# Altium PCB STM32F7_CoreBoard Last Design.PcbDoc (part 2 of 2)
Units mm, origin at the board's own origin, x right, y up, seen from the top; angles counter-clockwise.
Board outline 65 x 50 mm, 6 copper layers (L1, L2, L3, L4, L5, L6), stack 1.597 mm thick; 114 components, 192 nets, 736 pads, 389 vias.
Unrouted connection lines stored in the file: 372.
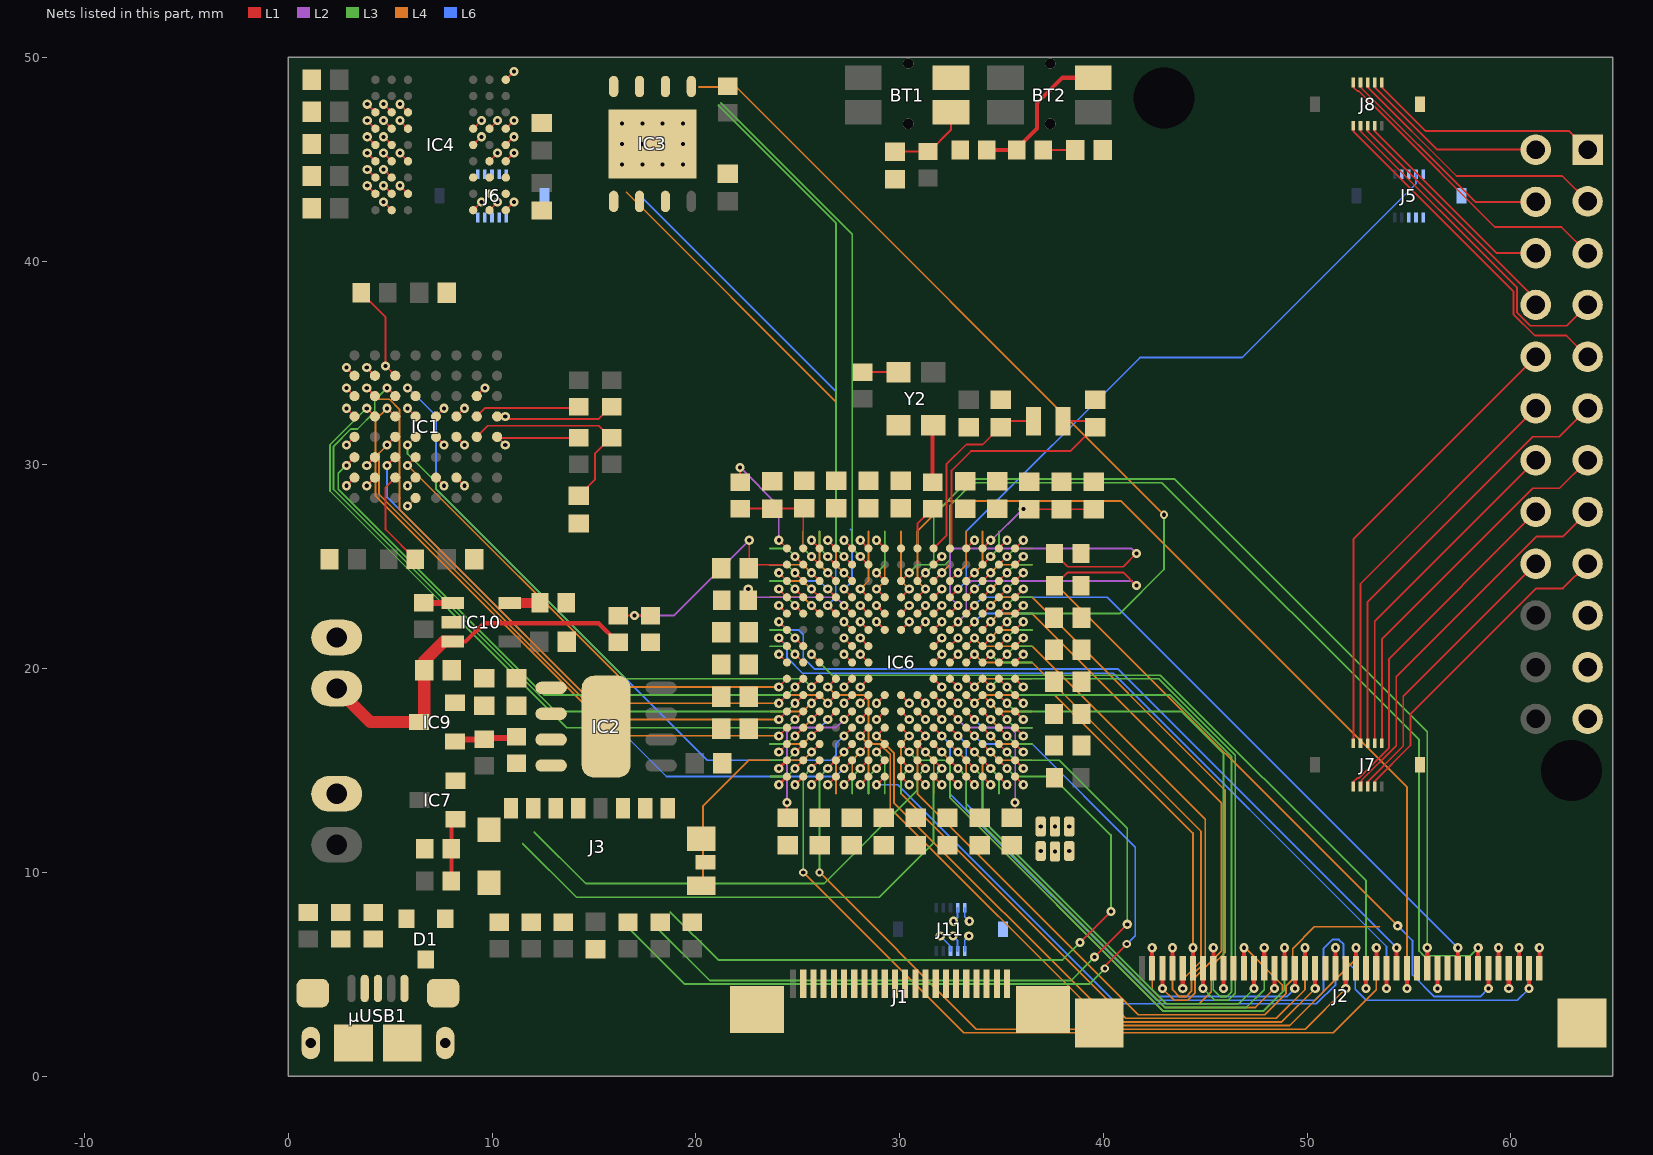
[diagram p6: the nets of this part, all layers, seen from the top]

## Via types
v1: diameter 0.45, hole 0.2, L1 to L6, tented both sides, 367 vias
v2: diameter 0.5, hole 0.2, L1 to L6, 12 vias
v3: diameter 0.4, hole 0.2, L1 to L6, tented both sides, 5 vias
v4: diameter 0.5, hole 0.5, L1 to L6, 4 vias
v5: diameter 0.7, hole 0.35, L1 to L6, tented both sides, 1 vias

## Nets (pads, with @x,y where several pads share a name; then routed paths per layer and width w, separated by ;. In a path a pad name is that pad's centre, name@x,y a point inside that pad or via, vN(x,y) a via of type N, cw(c..) or ccw(c..) an arc to the next point about the centre after c; other vN are vias at no path point) (continued)
A14: IC1.C7 IC4.G7 IC6.N12 | length 3.9
  L1 w0.089: v1(5.475,47.7) IC4.G7@5.875,47.3 ; IC1.C7@8.25,29.375 v1(8.65,28.975) ; v1(25.675,16.7) IC6.N12@26.075,17.1
  L4 w0.089: 23.64,16.3 25.275,16.3 v1(25.675,16.7)
A15: IC1.D7 IC4.G8 IC6.N11 | length 3.9
  L1 w0.089: v1(4.675,47.7) IC4.G8@5.075,47.3 ; IC1.D7@7.25,29.375 v1(7.65,28.975) ; v1(25.675,17.5) IC6.N11@26.075,17.9
  L4 w0.089: 23.64,17.1 25.275,17.1 v1(25.675,17.5)
A16: IC1.E7 IC6.N10 | length 3.3
  L1 w0.089: v1(5.85,28.975) IC1.E7@6.25,29.375 ; v1(25.675,18.3) IC6.N10@26.075,18.7
  L4 w0.089: 23.64,17.9 25.275,17.9 v1(25.675,18.3)
A17: IC1.B3 IC6.M10 | length 4.1
  L1 w0.089: IC1.B3@9.25,33.375 v1(9.65,33.775) ; v1(26.475,18.3) IC6.M10@26.875,18.7
  L4 w0.089: 23.64,18.7 26.075,18.7 v1(26.475,18.3)
A18: IC1.C4 IC6.M11 | length 4.1
  L1 w0.089: IC1.C4@8.25,32.375 v1(8.65,32.775) ; v1(26.475,17.5) IC6.M11@26.875,17.9
  L6 w0.089: 23.64,17.1 26.075,17.1 v1(26.475,17.5)
A19: IC1.D5 IC6.A2 | length 1.1
  L1 w0.089: IC1.D5@7.25,31.375 v1(7.65,30.975) ; IC6.A2@35.675,25.101 v1(36.075,25.501)
A20: IC1.D4 IC6.A1 | length 1.1
  L1 w0.089: IC1.D4@7.25,32.375 v1(7.65,32.775) ; IC6.A1@35.675,25.901 v1(36.075,26.301)
A21: IC1.C5 IC6.B1 | length 1.1
  L1 w0.089: IC1.C5@8.25,31.375 v1(8.65,30.975) ; IC6.B1@34.875,25.901 v1(35.275,26.301)
B0: IC6.B10 J2.9 | length 24.7
  L1 w0.089: IC6.B10@34.875,18.7 v1(35.275,18.3)
  L1 w0.2: v1(45.9,4.3) J2.9@45.9,5.3
  L3 w0.089: v1(35.275,18.3) 35.675,17.9 43.825,17.9 45.9,15.825 v1(45.9,4.3)
B1: IC6.B9 J2.8 | length 28.7
  L1 w0.089: IC6.B9@34.875,19.5 v1(35.275,19.1)
  L1 w0.2: J2.8@45.4,5.3 v1(45.4,6.3)
  L3 w0.089: v1(35.275,19.1) 35.675,18.7 43.277,18.7 46.296,15.68 46.296,4.136 46.064,3.904 45.736,3.904 45.4,4.239 v1(45.4,6.3)
B2: IC6.C9 J2.7 | length 28.9
  L1 w0.089: IC6.C9@34.075,19.5 v1(34.475,19.1)
  L1 w0.2: v1(44.9,4.3) J2.7@44.9,5.3
  L3 w0.089: v1(34.475,19.1) 34.875,19.5 42.728,19.5 46.474,15.754 46.474,4.062 46.138,3.726 45.474,3.726 v1(44.9,4.3)
B3: IC6.D10 J2.6 | length 20.9
  L1 w0.089: IC6.D10@33.275,18.7 v1(33.675,18.3)
  L1 w0.2: J2.6@44.4,5.3 v1(44.4,6.3)
  L4 w0.089: v1(33.675,18.3) 34.075,18.7 37.625,18.7 44.4,11.925 v1(44.4,6.3)
B4: IC6.D8 J2.5 | length 24.4
  L1 w0.089: IC6.D8@33.275,20.3 v1(33.675,20.7)
  L1 w0.2: v1(43.9,4.3) J2.5@43.9,5.3
  L4 w0.089: v1(33.675,20.7) 34.075,20.3 36.51,20.3 44.796,12.013 44.796,5.639 43.9,4.742 v1(43.9,4.3)
B5: IC6.D7 J2.4 | length 28.5
  L1 w0.089: IC6.D7@33.275,21.1 v1(33.675,21.5)
  L1 w0.2: J2.4@43.4,5.3 v1(43.4,6.3)
  L4 w0.089: v1(33.675,21.5) 34.075,21.1 36.51,21.1 45.004,12.606 45.004,5.594 44.326,4.917 44.326,4.165 44.064,3.904 43.736,3.904 43.4,4.239 v1(43.4,6.3)
B6: IC6.C6 J2.3 | length 28.8
  L1 w0.089: IC6.C6@34.075,21.9 v1(34.475,22.3)
  L1 w0.2: v1(42.9,4.3) J2.3@42.9,5.3
  L4 w0.089: v1(34.475,22.3) 34.875,22.7 36.51,22.7 45.796,13.414 45.796,6.136 44.504,4.843 44.504,4.091 44.138,3.726 43.474,3.726 v1(42.9,4.3)
B7: IC6.C5 J2.2 | length 32.8
  L1 w0.089: IC6.C5@34.075,22.7 v1(34.475,23.1)
  L1 w0.2: J2.2@42.4,5.3 v1(42.4,6.3)
  L4 w0.089: v1(34.475,23.1) 34.875,23.5 36.51,23.5 45.974,14.036 45.974,6.062 45.296,5.384 45.296,4.136 44.709,3.548 43.091,3.548 42.4,4.239 v1(42.4,6.3)
CAMERA_LIGHT: IC6.R5 J1.21 | length 0.6
  L1 w0.089: v1(24.075,23.1) IC6.R5@24.475,22.7
CAMERA_MISO: IC6.A9 J1.19 | length 0.6
  L1 w0.089: IC6.A9@35.675,19.5 v1(36.075,19.1)
CAMERA_MOSI: IC6.A8 J1.20 | length 0.6
  L1 w0.089: IC6.A8@35.675,20.3 v1(36.075,20.7)
CAMERA_SCL: IC6.P4 J1.18 | length 2
  L1 w0.089: v1(24.875,23.9) IC6.P4@25.275,23.5
  L3 w0.089: 23.64,24.3 24.475,24.3 v1(24.875,23.9)
CAN_RX: IC6.E4 J5.4 | length 33.2
  L1 w0.089: IC6.E4@32.475,23.5 v1(32.875,23.9)
  L6 w0.089: v1(32.875,23.9) 33.275,24.3 33.275,26.736 41.807,35.268 46.818,35.268 55.35,43.8 J5.4@55.35,44.26
CAN_TX: IC6.B4 J5.2 | length 2
  L1 w0.089: IC6.B4@34.875,23.5 v1(35.275,23.9)
  L3 w0.089: v1(35.275,23.9) 35.675,24.3 36.51,24.3
CHARGESTATUS: IC6.F3 IC10.1 R35.2 | length 4.2
  L1 w0.089: IC6.F3@31.675,24.3 v1(32.075,24.7)
  L1 w0.3: R35.2@6.65,23.225 IC10.1@8.075,23.225
  L4 w0.089: v1(32.075,24.7) 32.475,25.1 32.475,26.736
D0: IC1.E3 IC4.A8 IC6.L12 | length 33.6
  L1 w0.089: v1(4.675,42.9) IC4.A8@5.075,42.5 ; v1(5.85,33.775) IC1.E3@6.25,33.375 ; v1(27.275,16.7) IC6.L12@27.675,17.1
  L6 w0.089: v1(5.85,33.775) 5.875,33.775 7.254,32.396 7.254,28.811 20.561,15.503 26.639,15.503 26.875,15.739 26.875,16.3 v1(27.275,16.7)
D1: IC1.H3 IC4.B9 IC6.K13 | length 3.9
  L1 w0.089: v1(2.85,33.775) IC1.H3@3.25,33.375 ; v1(3.875,43.7) IC4.B9@4.275,43.3 ; v1(28.075,15.899) IC6.K13@28.475,16.299
  L4 w0.089: 27.675,13.864 27.675,15.499 v1(28.075,15.899)
D2: IC1.E4 IC4.B8 IC6.B12 | length 3.1
  L1 w0.089: v1(4.675,43.7) IC4.B8@5.075,43.3 ; v1(5.85,32.775) IC1.E4@6.25,32.375 ; IC6.B12@34.875,17.1 v1(35.275,16.7)
  L3 w0.089: v1(35.275,16.7) 35.675,16.3 36.51,16.3
D3: IC1.H4 IC4.C9 IC6.C12 | length 3.9
  L1 w0.089: v1(2.85,32.775) IC1.H4@3.25,32.375 ; v1(3.875,44.5) IC4.C9@4.275,44.1 ; IC6.C12@34.075,17.1 v1(34.475,16.7)
  L4 w0.089: v1(34.475,16.7) 34.875,16.3 36.51,16.3
D4: IC1.H5 IC4.C8 IC6.R8 | length 1.7
  L1 w0.089: v1(2.85,30.975) IC1.H5@3.25,31.375 ; v1(4.675,44.5) IC4.C8@5.075,44.1 ; v1(24.075,20.7) IC6.R8@24.475,20.3
D5: IC1.E5 IC4.D9 IC6.N9 | length 26.9
  L1 w0.089: v1(3.875,45.3) IC4.D9@4.275,44.9 ; v1(5.85,30.975) IC1.E5@6.25,31.375 ; v1(25.675,19.1) IC6.N9@26.075,19.5
  L3 w0.089: v1(5.85,30.975) 5.85,30.536 7.254,29.132 7.254,28.811 16.565,19.5 25.275,19.5 v1(25.675,19.1)
D6: IC1.H6 IC4.D8 IC6.P9 | length 29.8
  L1 w0.089: v1(2.85,29.975) IC1.H6@3.25,30.375 ; v1(4.675,45.3) IC4.D8@5.075,44.9 ; v1(24.875,19.1) IC6.P9@25.275,19.5
  L3 w0.089: v1(2.85,29.975) 2.454,29.579 2.454,28.811 12.565,18.7 24.475,18.7 v1(24.875,19.1)
D7: IC1.E6 IC4.E9 IC6.R9 | length 24.4
  L1 w0.089: v1(3.875,46.1) IC4.E9@4.275,45.7 ; v1(5.85,29.975) IC1.E6@6.25,30.375 ; v1(24.075,19.1) IC6.R9@24.475,19.5
  L4 w0.089: v1(5.85,29.975) 16.725,19.1 v1(24.075,19.1)
D8: IC1.F3 IC4.E1 IC6.P10 | length 35.3
  L1 w0.089: v1(4.85,33.775) IC1.F3@5.25,33.375 ; IC4.E1@10.675,45.7 v1(11.075,46.1) ; v1(24.875,18.3) IC6.P10@25.275,18.7
  L3 w0.089: v1(4.85,33.775) 4.246,33.171 4.246,32.611 3.396,31.76 3.074,31.76 2.224,30.909 2.224,28.789 13.113,17.9 24.475,17.9 v1(24.875,18.3)
D9: IC1.G3 IC4.D2 IC6.R10 | length 31.2
  L1 w0.089: v1(3.85,33.775) IC1.G3@4.25,33.375 ; IC4.D2@9.875,44.9 v1(10.275,45.3) ; v1(24.075,18.3) IC6.R10@24.475,18.7
  L4 w0.089: v1(3.85,33.775) 4.406,33.219 4.967,33.219 5.454,32.732 5.454,27.811 14.965,18.3 v1(24.075,18.3)
D10: IC1.F4 IC4.D1 IC6.R12 | length 30.9
  L1 w0.089: v1(4.85,32.775) IC1.F4@5.25,32.375 ; IC4.D1@10.675,44.9 v1(11.075,45.3) ; v1(24.075,16.7) IC6.R12@24.475,17.1
  L4 w0.089: v1(4.85,32.775) 4.276,32.201 4.276,28.486 16.062,16.7 v1(24.075,16.7)
D11: IC1.G4 IC4.C2 IC6.P11 | length 33.8
  L1 w0.089: v1(3.85,32.775) IC1.G4@4.25,32.375 ; v1(24.875,17.5) IC6.P11@25.275,17.9
  L3 w0.089: v1(3.85,32.775) 3.838,32.775 2.046,30.983 2.046,28.716 13.662,17.1 24.475,17.1 v1(24.875,17.5)
D12: IC1.F5 IC4.C1 IC6.R11 | length 27.9
  L1 w0.089: v1(4.85,30.975) IC1.F5@5.25,31.375 ; v1(24.075,17.5) IC6.R11@24.475,17.9
  L4 w0.089: v1(4.85,30.975) 4.454,30.579 4.454,28.559 15.513,17.5 v1(24.075,17.5)
D13: IC1.G6 IC4.B2 IC6.L15 | length 1.1
  L1 w0.089: v1(3.85,29.975) IC1.G6@4.25,30.375 ; v1(27.275,14.299) IC6.L15@27.675,14.699
D14: IC1.F6 IC4.B1 IC6.L14 | length 31
  L1 w0.089: v1(4.85,29.975) IC1.F6@5.25,30.375 ; v1(27.275,15.099) IC6.L14@27.675,15.499
  L6 w0.089: v1(4.85,29.975) 4.85,28.414 18.561,14.703 26.879,14.703 v1(27.275,15.099)
D15: IC1.G7 IC4.A2 IC6.K15 | length 1.7
  L1 w0.089: v1(3.85,28.975) IC1.G7@4.25,29.375 ; IC4.A2@9.875,42.5 v1(10.275,42.9) ; v1(28.075,14.299) IC6.K15@28.475,14.699
DCMI_D0: IC6.H15 J1.2 | length 0.6
  L1 w0.089: IC6.H15@30.075,14.699 v1(30.475,14.299)
DCMI_D1: IC6.P15 J1.3 | length 0.6
  L1 w0.089: v1(24.875,14.299) IC6.P15@25.275,14.699
DCMI_D2: IC6.C8 J1.4 | length 2.8
  L1 w0.089: IC6.C8@34.075,20.3 v1(34.475,20.7)
  L3 w0.089: v1(34.475,20.7) 34.875,20.3 36.51,20.3
DCMI_D3: IC6.M15 J1.5 | length 0.6
  L1 w0.089: v1(26.475,14.299) IC6.M15@26.875,14.699
DCMI_D4: IC6.E13 J1.6 | length 2.8
  L1 w0.089: IC6.E13@32.475,16.299 v1(32.875,15.899)
  L4 w0.089: v1(32.875,15.899) 33.275,15.499 33.275,13.864
DCMI_D5: IC6.C3 J1.7 | length 2.8
  L1 w0.089: IC6.C3@34.075,24.3 v1(34.475,24.7)
  L4 w0.089: v1(34.475,24.7) 34.875,25.1 36.51,25.1
DCMI_D6: IC6.D6 J1.8 | length 3.6
  L1 w0.089: IC6.D6@33.275,21.9 v1(33.675,22.3)
  L6 w0.089: v1(33.675,22.3) 34.075,22.7 36.51,22.7
DCMI_D7: IC6.B2 J1.9 | length 2
  L1 w0.089: IC6.B2@34.875,25.101 v1(35.275,25.501)
  L3 w0.089: v1(35.275,25.501) 35.675,25.9 36.51,25.9
DCMI_HSYNC: IC6.N4 J1.12 | length 2.8
  L1 w0.089: v1(25.675,23.9) IC6.N4@26.075,23.5
  L4 w0.089: 23.64,24.3 25.275,24.3 v1(25.675,23.9)
DCMI_NRST: IC6.E3 J1.16 | length 2.8
  L1 w0.089: IC6.E3@32.475,24.3 v1(32.875,24.7)
  L4 w0.089: v1(32.875,24.7) 33.275,25.1 33.275,26.736
DCMI_PIXCK: IC6.P3 J1.11 | length 2
  L1 w0.089: v1(24.875,24.7) IC6.P3@25.275,24.3
  L3 w0.089: 23.64,25.1 24.475,25.1 v1(24.875,24.7)
DCMI_PWREN: IC6.D4 J1.17 | length 3.6
  L1 w0.089: IC6.D4@33.275,23.5 v1(33.675,23.9)
  L6 w0.089: v1(33.675,23.9) 34.075,24.3 36.51,24.3
DCMI_SCK: IC6.A7 J1.14 | length 0.6
  L1 w0.089: IC6.A7@35.675,21.1 v1(36.075,21.5)
DCMI_SDA: IC6.B5 J1.15 | length 2
  L1 w0.089: IC6.B5@34.875,22.7 v1(35.275,23.1)
  L3 w0.089: v1(35.275,23.1) 35.675,23.5 36.51,23.5
DCMI_VSYNC: IC6.D3 J1.13 | length 2.8
  L1 w0.089: IC6.D3@33.275,24.3 v1(33.675,24.7)
  L4 w0.089: v1(33.675,24.7) 34.075,25.1 34.075,26.736
EXP_GPIO0: IC6.L1 J11.1 | length 1.4
  L1 w0.089: v1(27.275,26.301) IC6.L1@27.675,25.901
  L6 w0.089: J11.1@33.2,6.14 33.2,6.675 v1(33.4,6.875)
EXP_GPIO1: IC6.L4 J11.2 | length 4.4
  L1 w0.089: v1(27.275,23.9) IC6.L4@27.675,23.5
  L6 w0.089: v1(27.275,23.9) 27.671,24.297 27.671,26.754 27.6,26.825 ; J11.2@33.2,8.26 33.2,7.825 v1(33.425,7.6)
EXP_GPIO2: IC6.P7 J11.3 | length 2.8
  L1 w0.089: v1(24.875,21.5) IC6.P7@25.275,21.1
  L3 w0.089: 23.64,21.9 24.475,21.9 v1(24.875,21.5)
  L6 w0.089: v1(32.625,6.875) 32.85,6.65 J11.3@32.85,6.14
EXP_GPIO3: IC6.D1 J11.4 | length 1.3
  L1 w0.089: IC6.D1@33.275,25.901 v1(33.675,26.301)
  L6 w0.089: v1(32.65,7.6) 32.85,7.8 J11.4@32.85,8.26
EXP_GPIO4: IC6.P13 J11.5 | length 2.9
  L1 w0.089: v1(24.875,15.899) IC6.P13@25.275,16.299
  L3 w0.089: 23.64,15.499 24.475,15.499 v1(24.875,15.899)
  L6 w0.089: v1(32,6.875) 32.5,6.375 J11.5@32.5,6.14
EXP_SCL: IC6.F15 J5.8 | length 0.6
  L1 w0.089: IC6.F15@31.675,14.699 v1(32.075,14.299)
EXP_SDA: IC6.P14 J5.6 | length 2
  L1 w0.089: v1(24.875,15.099) IC6.P14@25.275,15.499
  L3 w0.089: 23.64,14.699 24.475,14.699 v1(24.875,15.099)
FMC_NBL0: IC4.E8 IC6.A6 | length 1.1
  L1 w0.089: v1(4.675,46.1) IC4.E8@5.075,45.7 ; IC6.A6@35.675,21.9 v1(36.075,22.3)
FMC_NBL1: IC4.F1 IC6.A5 | length 1.1
  L1 w0.089: IC4.F1@10.675,46.5 v1(11.075,46.9) ; IC6.A5@35.675,22.7 v1(36.075,23.1)
FMC_NE1: IC1.F2 IC6.A11 R3.1 | length 5.3
  L1 w0.089: R3.1@3.575,38.45 4.775,37.25 v1(4.775,34.85) IC1.F2@5.25,34.375 ; IC6.A11@35.675,17.9 v1(36.075,17.5)
FMC_NOE: IC1.G2 IC6.D11 | length 4.1
  L1 w0.089: v1(3.85,34.775) IC1.G2@4.25,34.375 ; IC6.D11@33.275,17.9 v1(33.675,17.5)
  L6 w0.089: v1(33.675,17.5) 34.075,17.1 36.51,17.1
FMC_NWAIT: IC1.A4 IC6.B11 R2.1 | length 7.9
  L1 w0.089: IC1.A4@10.25,32.375 v1(10.65,32.375) 10.771,32.254 15.229,32.254 15.825,32.85 R2.1@15.875,32.85 ; IC6.B11@34.875,17.9 v1(35.275,17.5)
  L3 w0.089: v1(35.275,17.5) 35.675,17.1 36.51,17.1
FMC_NWE: IC1.A5 IC6.C10 R1.1 | length 7.4
  L1 w0.089: v1(10.65,30.975) IC1.A5@10.25,31.375 10.3,31.325 R1.1@14.25,31.325 ; IC6.C10@34.075,18.7 v1(34.475,18.3)
  L4 w0.089: v1(34.475,18.3) 34.875,17.9 36.51,17.9
FMC_SDCKE0: IC4.F3 IC6.K4 | length 4.1
  L1 w0.089: IC4.F3@9.075,46.5 v1(9.475,46.9) ; v1(28.075,23.9) IC6.K4@28.475,23.5
  L4 w0.089: v1(28.075,23.9) 28.475,24.3 28.475,26.736
FMC_SDCLK: IC4.F2 IC6.H14 | length 2.5
  L1 w0.089: IC4.F2@9.875,46.5 v1(10.275,46.9) ; IC6.H14@30.075,15.499 v1(30.475,15.099)
  L3 w0.089: 30.075,13.875 30.075,14.699 v1(30.475,15.099)
FMC_SDNCAS: IC4.F7 IC6.B7 | length 2.5
  L1 w0.089: v1(5.475,46.9) IC4.F7@5.875,46.5 ; IC6.B7@34.875,21.1 v1(35.275,21.5)
  L3 w0.089: v1(35.275,21.5) 35.675,21.9 36.51,21.9
FMC_SDNE0: IC4.G9 IC6.J4 | length 4.1
  L1 w0.089: v1(3.875,47.7) IC4.G9@4.275,47.3 ; v1(28.875,23.9) IC6.J4@29.275,23.5
  L4 w0.089: v1(28.875,23.9) 29.275,24.3 29.275,26.736
FMC_SDNRAS: IC4.F8 IC6.P8 | length 2.5
  L1 w0.089: v1(4.675,46.9) IC4.F8@5.075,46.5 ; v1(24.875,20.7) IC6.P8@25.275,20.3
  L3 w0.089: 23.64,21.1 24.475,21.1 v1(24.875,20.7)
FMC_SDNWE: IC4.F9 IC6.M2 | length 2.5
  L1 w0.089: v1(3.875,46.9) IC4.F9@4.275,46.5 ; v1(26.475,25.501) IC6.M2@26.875,25.101
  L3 w0.089: 26.075,26.736 26.075,25.9 v1(26.475,25.501)
G0: IC6.J12 J2.18 | length 31
  L1 w0.089: v1(28.875,16.7) IC6.J12@29.275,17.1
  L1 w0.2: v1(50.4,4.3) J2.18@50.4,5.3
  L4 w0.089: v1(28.875,16.7) 28.887,16.7 29.725,15.862 29.725,13.414 40.48,2.659 48.759,2.659 v1(50.4,4.3)
G1: IC6.H12 J2.17 | length 31.6
  L1 w0.089: IC6.H12@30.075,17.1 v1(30.475,16.7)
  L1 w0.2: J2.17@49.9,5.3 v1(49.9,6.3)
  L4 w0.089: v1(30.475,16.7) 30.075,16.3 30.075,13.864 41.102,2.837 48.497,2.837 49.9,4.239 v1(49.9,6.3)
G2: IC6.E12 J2.16 | length 25.3
  L1 w0.089: IC6.E12@32.475,17.1 v1(32.875,16.7)
  L1 w0.2: v1(49.4,4.3) J2.16@49.4,5.3
  L6 w0.089: v1(32.875,16.7) 33.275,16.3 33.275,13.364 42.736,3.904 49.004,3.904 v1(49.4,4.3)
G3: IC6.H13 J2.15 | length 28.7
  L1 w0.089: IC6.H13@30.075,16.299 v1(30.475,15.899)
  L1 w0.2: J2.15@48.9,5.3 v1(48.9,6.3)
  L3 w0.089: v1(30.475,15.899) 30.871,15.503 32.232,15.503 32.479,15.256 32.479,13.658 42.944,3.192 47.853,3.192 48.9,4.239 v1(48.9,6.3)
G4: IC6.D13 J2.14 | length 23.7
  L1 w0.089: IC6.D13@33.275,16.299 v1(33.675,15.899)
  L1 w0.2: v1(48.4,4.3) J2.14@48.4,5.3
  L4 w0.089: v1(33.675,15.899) 34.075,15.499 34.075,12.313 43.018,3.37 47.47,3.37 v1(48.4,4.3)
G5: IC6.E14 J2.13 | length 24.8
  L1 w0.089: IC6.E14@32.475,15.499 v1(32.875,15.099)
  L1 w0.2: J2.13@47.9,5.3 v1(47.9,6.3)
  L3 w0.089: v1(32.875,15.099) 33.275,14.699 33.275,13.113 43.018,3.37 47.031,3.37 47.9,4.239 v1(47.9,6.3)
G6: IC6.D14 J2.12 | length 21.6
  L1 w0.089: IC6.D14@33.275,15.499 v1(33.675,15.099)
  L1 w0.2: v1(47.4,4.3) J2.12@47.4,5.3
  L3 w0.089: v1(33.675,15.099) 34.075,14.699 34.075,12.564 43.091,3.548 46.648,3.548 v1(47.4,4.3)
G7: IC6.F13 J2.11 | length 28
  L1 w0.089: IC6.F13@31.675,16.299 v1(32.075,15.899)
  L1 w0.2: J2.11@46.9,5.3 v1(46.9,6.3)
  L4 w0.089: v1(32.075,15.899) 32.479,15.496 32.479,13.658 42.944,3.192 47.853,3.192 48.796,4.136 48.796,4.464 46.961,6.3 v1(46.9,6.3)
GND: BT1.2 C1.1 C2.1 C3.2 C4.2 C5.2 C6.2 C9.2 C10.1 C11.2 C12.2 C13.2 C14.2 C15.2 C16.2 C17.2 C25.1 C26.1 C27.1 C28.1 C29.1 C30.1 C31.1 C32.1 C33.1 C34.1 C35.1 C36.1 C37.1 C38.1 C39.1 C40.1 C41.1 C42.1 C43.1 C44.1 C45.1 C46.1 C47.1 C48.1 C49.1 C50.1 C51.1 C52.1 C53.1 C54.1 C55.1 C56.1 C58.1 C61.1 C62.1 D1.3 IC1.E8 IC1.H2 IC1.H7 IC2.1 IC2.EP IC3.4 IC3.9 IC4.A1 IC4.A3 IC4.B7 IC4.C3 IC4.D7 IC4.E3 IC4.J1 IC6.F2 IC6.F6 IC6.F7 IC6.F8 IC6.F9 IC6.F10 IC6.G6 IC6.G10 IC6.H1 IC6.H6 IC6.H10 IC6.J6 IC6.J10 IC6.K6 IC6.K7 IC6.K8 IC6.K9 IC6.K10 IC6.L6 IC6.M1 IC6.N1 IC10.2 J1.10 J1.22 J1.MP1 J1.MP2 J2.10 J2.19 J2.28 J2.31 J2.33 J2.MP1 J2.MP2 J3.6 J3.G1 J3.G2 J3.G3 J3.G4 J5.MP1 J6.MP1 J7.MP1 J8.MP1 J9.2 J10.2 J11.MP1 pad.3@38.33,11.048 pad.10 pad.11 pad.12 R16.1 R18.1 R21.1 R29.1 R31.1 R33.1 R34.1 Y2.2 µUSB1.5 µUSB1.S | length 16.4
  L1 w0.089: v1(2.85,28.975) IC1.H7@3.25,29.375 ; v1(2.85,34.775) IC1.H2@3.25,34.375 ; v1(5.475,43.7) IC4.B7@5.875,43.3 ; v1(5.475,45.3) IC4.D7@5.875,44.9 ; v1(5.85,27.975) IC1.E8@6.25,28.375 ; IC4.A3@9.075,42.5 v1(9.475,42.9) ; IC4.E3@9.075,45.7 v1(9.475,46.1) ; IC4.A1@10.675,42.5 v1(11.075,42.9) ; IC4.J1@10.675,48.9 v1(11.075,49.3) ; v1(25.675,26.301) IC6.N1@26.075,25.901 ; v1(26.475,26.301) IC6.M1@26.875,25.901 ; v1(27.275,22.3) IC6.L6@27.675,21.9 ; v1(28.075,18.3) IC6.K10@28.475,18.7 ; v1(28.075,19.1) IC6.K9@28.475,19.5 ; v1(28.075,20.7) IC6.K8@28.475,20.3 ; v1(28.075,21.5) IC6.K7@28.475,21.1 ; v1(28.075,22.3) IC6.K6@28.475,21.9 ; v1(28.875,18.3) IC6.J10@29.275,18.7 ; v1(28.875,22.3) IC6.J6@29.275,21.9 ; IC6.H10@30.075,18.7 v1(30.475,18.3) ; IC6.H6@30.075,21.9 v1(30.475,22.3) ; IC6.G10@30.875,18.7 v1(31.275,18.3) ; IC6.G6@30.875,21.9 v1(31.275,22.3) ; IC6.F10@31.675,18.7 v1(32.075,18.3) ; IC6.F9@31.675,19.5 v1(32.075,19.1) ; IC6.F8@31.675,20.3 v1(32.075,20.7) ; IC6.F7@31.675,21.1 v1(32.075,21.5) ; IC6.F6@31.675,21.9 v1(32.075,22.3) ; IC6.F2@31.675,25.101 v1(32.075,25.501)
  other v1: 38.33,11.048
  other v2: 16.375,44.75 17.375,44.75 18.375,44.75 19.375,44.75 16.375,45.75 17.375,45.75 18.375,45.75 19.375,45.75 16.375,46.75 17.375,46.75 18.375,46.75 19.375,46.75
  other v4: 30.425,46.74 37.4,46.74 30.425,49.7 37.4,49.7
GSM_CTS: IC6.B3 J7.5 pad.6@63.77,32.77 | length 23.6
  L1 w0.089: IC6.B3@34.875,24.3 v1(35.275,24.7) ; J7.5@52.975,16.335 52.975,23.278 61.072,31.375 62.375,31.375 pad.6@63.77,32.77
  L3 w0.089: v1(35.275,24.7) 35.675,25.1 36.51,25.1
GSM_DCD: IC6.J14 J7.8 pad.8 | length 20.8
  L1 w0.089: v1(28.875,15.099) IC6.J14@29.275,15.499 ; J7.8@52.625,14.215 52.671,14.261 52.671,14.507 54.375,16.211 54.375,19.598 61.253,26.476 62.556,26.476 pad.8@63.77,27.69
  L3 w0.089: 28.475,13.864 28.475,14.699 v1(28.875,15.099)
GSM_DTR: IC6.G13 J7.6 pad.21 | length 17.1
  L1 w0.089: IC6.G13@30.875,16.299 v1(31.275,15.899) ; J7.6@52.975,14.215 52.975,14.45 54.725,16.2 54.725,18.645 pad.21@61.23,25.15
  L4 w0.089: v1(31.275,15.899) 31.675,15.499 31.675,13.864
GSM_PWE: IC6.N15 J7.3 pad.19 | length 17.7
  L1 w0.089: v1(25.675,14.299) IC6.N15@26.075,14.699 ; J7.3@53.325,16.335 53.325,22.325 pad.19@61.23,30.23
GSM_RI: IC6.J13 J7.10 pad.20 | length 20
  L1 w0.089: v1(28.875,15.899) IC6.J13@29.275,16.299 ; J7.10@52.275,14.215 52.275,14.437 52.464,14.626 52.539,14.626 54.025,16.113 54.025,20.485 pad.20@61.23,27.69
  L3 w0.089: v1(28.875,15.899) 29.275,15.499 29.275,13.864
GSM_RST: IC6.K12 J7.1 pad.7 | length 22.4
  L1 w0.089: v1(28.075,16.7) IC6.K12@28.475,17.1 ; J7.1@53.675,16.335 53.675,21.438 61.087,28.85 62.39,28.85 pad.7@63.77,30.23
  L4 w0.089: v1(28.075,16.7) 28.075,16.687 28.475,16.287 28.475,13.864
GSM_RTS: IC6.C7 J7.7 pad.18 | length 22.8
  L1 w0.089: IC6.C7@34.075,21.1 v1(34.475,21.5) ; J7.7@52.625,16.335 52.625,24.165 pad.18@61.23,32.77
  L4 w0.089: v1(34.475,21.5) 34.875,21.9 36.51,21.9
GSM_RX: IC6.G15 J7.4 pad.9 | length 16.6
  L1 w0.089: IC6.G15@30.875,14.699 v1(31.275,14.299) ; J7.4@53.325,14.215 53.325,14.475 55.075,16.225 55.075,17.758 61.253,23.936 62.556,23.936 pad.9@63.77,25.15
GSM_TX: IC6.A4 J7.9 pad.17 | length 23.2
  L1 w0.089: IC6.A4@35.675,23.5 v1(36.075,23.9) ; J7.9@52.275,16.335 52.275,26.355 pad.17@61.23,35.31
LCD_BL_CTRL: IC6.K1 J2.36 | length 1.6
  L1 w0.089: v1(28.075,26.301) IC6.K1@28.475,25.901
  L1 w0.2: J2.36@59.4,5.3 v1(59.4,6.3)
LCD_CLK: IC6.H3 J2.29 | length 45.9
  L1 w0.089: IC6.H3@30.075,24.3 v1(30.475,24.7)
  L1 w0.2: J2.29@55.9,5.3 v1(55.9,6.3)
  L3 w0.089: v1(30.475,24.7) 30.871,25.097 31.432,25.097 31.679,25.343 31.679,27.554 33.425,29.3 43.5,29.3 55.9,16.9 v1(55.9,6.3)
LCD_DE: IC6.C4 J2.35 | length 35.8
  L1 w0.089: IC6.C4@34.075,23.5 v1(34.475,23.9)
  L1 w0.2: v1(58.9,4.3) J2.35@58.9,5.3
  L4 w0.089: v1(34.475,23.9) 34.871,24.297 37.528,24.297 v1(54.45,7.375)
  L6 w0.089: v1(54.45,7.375) 55.175,6.65 55.175,4.964 56.236,3.904 58.504,3.904 v1(58.9,4.3)
LCD_DISP: IC6.C2 J2.30 | length 3
  L1 w0.089: IC6.C2@34.075,25.101 v1(34.475,25.501)
  L1 w0.2: v1(56.4,4.3) J2.30@56.4,5.3
  L3 w0.089: v1(34.475,25.501) 34.875,25.9 34.875,26.736
LCD_HSYNC: IC6.D5 J2.32 | length 32.6
  L1 w0.089: IC6.D5@33.275,22.7 v1(33.675,23.1)
  L1 w0.2: J2.32@57.4,5.3 v1(57.4,6.3)
  L6 w0.089: v1(33.675,23.1) 34.075,23.5 40.2,23.5 v1(57.4,6.3)
LCD_INT/YD: IC6.G12 J2.40 | length 34.6
  L1 w0.089: IC6.G12@30.875,17.1 v1(31.275,16.7)
  L1 w0.2: J2.40@61.4,5.3 v1(61.4,6.3)
  L4 w0.089: v1(31.275,16.7) 30.875,16.3 30.875,13.864 41.725,3.015 47.927,3.015 48.974,4.062 48.974,4.435 49.296,4.757 49.296,6.257 50.364,7.325 53.564,7.325
LCD_R0: IC6.G4 J2.27 | length 44.9
  L1 w0.089: IC6.G4@30.875,23.5 v1(31.275,23.9)
  L1 w0.2: v1(54.9,4.3) J2.27@54.9,5.3
  L4 w0.089: v1(31.275,23.9) 30.875,24.3 30.875,26.736 32.361,28.221 40.879,28.221 54.9,14.2 v1(54.9,4.3)
LCD_R1: IC6.R6 J2.26 | length 39.2
  L1 w0.089: v1(24.075,22.3) IC6.R6@24.475,21.9
  L1 w0.2: J2.26@54.4,5.3 v1(54.4,6.3)
  L6 w0.089: v1(24.075,22.3) 24.479,21.896 25.039,21.896 25.279,21.657 25.279,20.536 25.839,19.975 40.725,19.975 v1(54.4,6.3)
LCD_R2: IC6.R7 J2.25 | length 40.1
  L1 w0.089: v1(24.075,21.5) IC6.R7@24.475,21.1
  L1 w0.2: v1(53.9,4.3) J2.25@53.9,5.3
  L6 w0.089: v1(24.075,21.5) 24.479,21.096 24.479,20.864 24.479,20.536 25.239,19.775 40.486,19.775 53.9,6.361 v1(53.9,4.3)
LCD_R3: IC6.N14 J2.24 | length 41.2
  L1 w0.089: v1(25.675,15.099) IC6.N14@26.075,15.499
  L1 w0.2: J2.24@53.4,5.3 v1(53.4,6.3)
  L3 w0.089: v3(25.275,10) 25.275,14.699 v1(25.675,15.099)
  L4 w0.089: v3(25.275,10) 33.149,2.126 51.286,2.126 53.4,4.239 v1(53.4,6.3)
LCD_R4: IC6.N8 J2.23 | length 38.7
  L1 w0.089: v1(25.675,20.7) IC6.N8@26.075,20.3
  L1 w0.2: v1(52.9,4.3) J2.23@52.9,5.3
  L3 w0.089: v1(25.675,20.7) 26.697,19.678 42.802,19.678 52.9,9.579 v1(52.9,4.3)
LCD_R5: IC6.M9 J2.22 | length 39
  L1 w0.089: v1(26.475,19.1) IC6.M9@26.875,19.5
  L1 w0.2: J2.22@52.4,5.3 v1(52.4,6.3)
  L4 w0.089: v1(26.475,19.1) 26.871,18.703 28.232,18.703 28.471,18.464 28.471,16.542 28.718,16.296 29.039,16.296 29.545,15.79 29.545,13.155 40.219,2.481 49.142,2.481 52.4,5.739 v1(52.4,6.3)
LCD_R6: IC6.M14 J2.21 | length 36.7
  L1 w0.089: v1(26.475,15.099) IC6.M14@26.875,15.499
  L1 w0.2: v1(51.9,4.3) J2.21@51.9,5.3
  L3 w0.089: v3(26.075,10) 26.075,14.699 v1(26.475,15.099)
  L4 w0.089: v3(26.075,10) 33.772,2.303 49.903,2.303 v1(51.9,4.3)
LCD_R7: IC6.J15 J2.20 | length 30.7
  L1 w0.089: v1(28.875,14.299) IC6.J15@29.275,14.699
  L1 w0.2: J2.20@51.4,5.3 v1(51.4,6.3)
  L6 w0.089: v1(28.875,14.299) 29.914,14.299 40.666,3.548 50.46,3.548 51.4,4.488 v1(51.4,6.3)
LCD_RST/XR: IC6.F12 J2.39 | length 42.1
  L1 w0.089: IC6.F12@31.675,17.1 v1(32.075,16.7)
  L1 w0.2: v1(60.9,4.3) J2.39@60.9,5.3
  L6 w0.089: v1(32.075,16.7) 32.475,16.3 32.475,13.864 42.613,3.726 50.386,3.726 50.811,4.15 50.811,6.272 51.236,6.696 51.564,6.696 51.796,6.464 51.796,5.779 52.37,5.205 52.37,4.27 52.914,3.726 60.326,3.726 v1(60.9,4.3)
LCD_SCL: IC6.H4 J2.37 | length 4.6
  L1 w0.089: IC6.H4@30.075,23.5 v1(30.475,23.9)
  L1 w0.2: v1(59.9,4.3) J2.37@59.9,5.3
  L4 w0.089: 30.075,26.736 30.075,24.3 v1(30.475,23.9)
LCD_SDA: IC6.J3 J2.38 | length 3.8
  L1 w0.089: v1(28.875,24.7) IC6.J3@29.275,24.3
  L1 w0.2: J2.38@60.4,5.3 v1(60.4,6.3)
  L3 w0.089: v1(28.875,24.7) 29.275,25.1 29.275,26.736
LCD_VSYNC: IC6.G3 J2.34 | length 47.9
  L1 w0.089: IC6.G3@30.875,24.3 v1(31.275,24.7)
  L1 w0.2: J2.34@58.4,5.3 v1(58.4,6.3)
  L3 w0.089: v1(31.275,24.7) 31.287,24.7 31.683,25.097 32.232,25.097 32.479,25.343 32.479,28.001 33.6,29.122 42.878,29.122 55.5,16.5 55.5,6.139 55.736,5.904 58.004,5.904 v1(58.4,6.3)
N\R\S\T\: BT1.1 C25.2 IC6.J1 pad.2@37.63,11.023 R15.2 | length 4.6
  L1 w0.089: v1(28.875,26.301) IC6.J1@29.275,25.901
  L1 w0.1: C25.2@29.775,45.375 R15.2@31.4,45.375 31.45,45.375 32.525,46.45 BT1.1@32.525,47.3
  other v1: 37.63,11.023
NetBT2_2: BT2.2 R19.1 R21.2 | length 7.5
  L1 w0.2: R21.2@34.275,45.45 R19.1@35.75,45.45 35.75,45.5 36.75,46.5 36.75,47.75 38,49 BT2.2@39.5,49
NetC27_2: C27.2 IC6.E1 Y1.2 | length 13.5
  L1 w0.089: IC6.E1@32.475,25.901 32.554,25.979 32.554,29.721 33.508,30.675 38.375,30.675 39.55,31.85 C27.2@39.6,31.85 39.3,32.15 Y1.2@38.025,32.15
NetC28_2: C28.2 IC6.F1 Y1.1 | length 9.5
  L1 w0.089: IC6.F1@31.675,25.901 32.3,26.526 32.3,30.025 33.275,31 34.075,31 34.925,31.85 C28.2@34.975,31.85 35.275,32.15 Y1.1@36.575,32.15
NetC32_2: C32.2 IC6.L11 | length 7.8
  L1 w0.089: v1(24.475,13.425) 24.475,12.702 C32.2@24.505,12.673 ; v1(27.275,17.5) IC6.L11@27.675,17.9
  L2 w0.089: v1(24.475,13.425) 24.475,16.86 24.718,17.103 26.879,17.103 v1(27.275,17.5)
NetC33_2: C33.2 IC6.E11 | length 7.9
  L1 w0.089: IC6.E11@32.475,17.9 v1(32.875,17.5) ; C33.2@35.5,12.675 35.675,12.85 v1(35.675,13.425)
  L2 w0.089: v1(32.875,17.5) 33.271,17.103 35.432,17.103 35.675,16.86 v1(35.675,13.425)
NetIC1_F7: IC1.F7 R6.2 | length 4.8
  L1 w0.089: IC1.F7@5.25,29.375 4.775,28.9 4.775,26.825 R6.2@6.225,25.375
NetIC6_E5: IC6.E5 R17.2 | length 17.2
  L1 w0.089: IC6.E5@32.475,22.7 v1(32.875,23.1) ; R17.2@37.605,25.648 38.251,25.001 40.976,25.001 v1(41.625,25.65)
  L2 w0.089: v1(32.875,23.1) 32.479,23.497 32.479,25.665 32.711,25.897 41.378,25.897 v1(41.625,25.65)
NetIC6_E6: IC6.E6 R16.2 | length 15.6
  L1 w0.089: IC6.E6@32.475,21.9 v1(32.875,22.3) ; R16.2@37.605,24.073 38.251,24.719 40.981,24.719 v1(41.625,24.075)
  L2 w0.089: v1(32.875,22.3) 33.271,22.697 33.271,24.057 33.511,24.297 41.403,24.297 v1(41.625,24.075)
NetIC6_G1: IC6.G1 R20.1 | length 2.3
  L1 w0.089: IC6.G1@30.875,25.901 30.875,27.1 31.194,27.419 31.194,27.469 31.575,27.85 R20.1@31.625,27.85
NetIC6_L5: IC6.L5 R18.2 | length 6.2
  L1 w0.089: v1(22.575,23.9) 22.575,23.352 R18.2@22.58,23.348 ; v1(27.275,23.1) IC6.L5@27.675,22.7
  L2 w0.089: v1(22.575,23.9) 22.975,23.5 26.875,23.5 v1(27.275,23.1)
NetIC7_1: IC7.1 R30.1 R31.2 | length 3.1
  L1 w0.2: R30.1@8,9.575 R31.2@8,11.15 8,12.39 IC7.1@8.21,12.6
NetIC9_1: IC9.1 R32.1 R33.2 | length 3.1
  L1 w0.3: IC9.1@8.185,16.425 8.285,16.525 R32.1@9.625,16.525 9.687,16.588 11.138,16.588 R33.2@11.2,16.65
NetIC10_5: IC10.5 R34.2 | length 1.5
  L1 w0.5: IC10.5@10.875,23.225 R34.2@12.35,23.225
NetR22_2: R22.2 Y2.1 | length 1.8
  L1 w0.1: R22.2@28.2,34.55 Y2.1@29.95,34.55
NetR25_2: R25.2 µUSB1.2
NetR26_2: R26.2 µUSB1.3
NOR_nRST: C3.1 IC1.B5 R5.1 | length 10.6
  L1 w0.089: IC1.B5@9.25,31.375 9.796,31.921 15.229,31.921 15.825,31.325 15.05,30.55 15.05,29.275 C3.1@14.25,28.475
NOR_nWP: IC1.B4 R4.1 | length 5.2
  L1 w0.089: IC1.B4@9.25,32.375 9.671,32.796 14.196,32.796 R4.1@14.25,32.85
OSC: R20.2 Y2.3 | length 2.8
  L1 w0.2: R20.2@31.625,29.15 31.625,31.925 Y2.3@31.65,31.95
QSPI_CLK: IC3.6 IC6.M5 | length 24.6
  L1 w0.089: v1(26.475,23.1) IC6.M5@26.875,22.7
  L6 w0.089: 17.425,43.05 26.871,33.604 26.871,23.497 v1(26.475,23.1)
QSPI_D0: IC3.5 IC6.L3 | length 23.7
  L1 w0.089: v1(27.275,24.7) IC6.L3@27.675,24.3
  L4 w0.089: 16.6,43.375 26.875,33.1 26.875,25.1 v1(27.275,24.7)
QSPI_D1: IC3.2 IC6.L2 | length 25.3
  L1 w0.089: v1(27.275,25.501) IC6.L2@27.675,25.101
  L3 w0.089: 21.1,47.65 26.875,41.875 26.875,25.9 v1(27.275,25.501)
QSPI_D2: IC3.3 IC6.A3 | length 0.6
  L1 w0.089: IC6.A3@35.675,24.3 v1(36.075,24.7)
QSPI_D3: IC3.7 IC6.K2 | length 25.7
  L1 w0.089: v1(28.075,25.501) IC6.K2@28.475,25.101
  L3 w0.089: 21.226,47.776 27.675,41.326 27.675,25.9 v1(28.075,25.501)
QSPI_NCS: IC3.1 IC6.B6 R8.1 | length 43.5
  L1 w0.089: IC6.B6@34.875,21.9 v1(35.275,22.3)
  L3 w0.089: v1(35.275,22.3) 35.675,22.7 40.811,22.7 42.975,24.864 v3(42.975,27.55)
  L4 w0.089: 20.15,48.55 21.975,48.55 v3(42.975,27.55)
RMII_CRS_DV: IC6.R3 J6.5 | length 0.6
  L1 w0.089: v1(24.075,24.7) IC6.R3@24.475,24.3
RMII_MDC: IC6.M3 J6.1 | length 2.8
  L1 w0.089: v1(26.475,24.7) IC6.M3@26.875,24.3
  L4 w0.089: 26.075,26.736 26.075,25.1 v1(26.475,24.7)
RMII_MDIO: IC6.P2 J6.2 | length 2
  L1 w0.089: v1(24.875,25.501) IC6.P2@25.275,25.101
  L3 w0.089: 23.64,25.9 24.475,25.9 v1(24.875,25.501)
RMII_REF_CLK: IC6.N2 J6.4 | length 2
  L1 w0.089: v1(25.675,25.501) IC6.N2@26.075,25.101
  L3 w0.089: 25.275,26.736 25.275,25.9 v1(25.675,25.501)
RMII_RXD0: IC6.N5 J6.7 | length 2.8
  L1 w0.089: v1(25.675,23.1) IC6.N5@26.075,22.7
  L4 w0.089: 23.64,23.5 25.275,23.5 v1(25.675,23.1)
RMII_RXD1: IC6.P5 J6.9 | length 2
  L1 w0.089: v1(24.875,23.1) IC6.P5@25.275,22.7
  L3 w0.089: 23.64,23.5 24.475,23.5 v1(24.875,23.1)
RMII_RXER: IC6.M4 J6.3 | length 3.6
  L1 w0.089: v1(26.475,23.9) IC6.M4@26.875,23.5
  L6 w0.089: 23.64,24.3 26.075,24.3 v1(26.475,23.9)
RMII_TX_EN: IC6.B8 J6.10 | length 2
  L1 w0.089: IC6.B8@34.875,20.3 v1(35.275,20.7)
  L3 w0.089: v1(35.275,20.7) 35.675,21.1 36.51,21.1
RMII_TXD0: IC6.L13 J6.6 | length 2.8
  L1 w0.089: v1(27.275,15.899) IC6.L13@27.675,16.299
  L4 w0.089: 26.875,13.864 26.875,15.499 v1(27.275,15.899)
RMII_TXD1: IC6.K14 J6.8 | length 2
  L1 w0.089: v1(28.075,15.099) IC6.K14@28.475,15.499
  L3 w0.089: 27.675,13.864 27.675,14.699 v1(28.075,15.099)
RS485_DE: IC6.R4 J5.5 | length 0.6
  L1 w0.089: v1(24.075,23.9) IC6.R4@24.475,23.5
RS485_RX: IC6.R13 J5.3 | length 0.6
  L1 w0.089: v1(24.075,15.899) IC6.R13@24.475,16.299
RS485_TX: IC6.P12 J5.1 | length 2
  L1 w0.089: v1(24.875,16.7) IC6.P12@25.275,17.1
  L3 w0.089: 23.64,16.3 24.475,16.3 v1(24.875,16.7)
SD_CLK: IC6.A12 J3.5 R9.1 | length 0.6
  L1 w0.089: IC6.A12@35.675,17.1 v1(36.075,16.7)
SD_CMD: IC6.D12 J3.3 | length 42.7
  L1 w0.089: IC6.D12@33.275,17.1 v1(33.675,16.7) ; v3(40.075,5.275) 40.075,5.4 v3(41.15,6.475)
  L3 w0.089: 16.275,7.7 19.46,4.515 39.315,4.515 v3(40.075,5.275)
  L6 w0.089: v1(33.675,16.7) 34.075,16.3 36.51,16.3 41.572,11.238 41.572,6.897 v3(41.15,6.475)
SD_D0: IC6.G14 J3.7 R13.1 | length 23.5
  L1 w0.089: IC6.G14@30.875,15.499 v1(31.275,15.099)
  L3 w0.089: 12.075,11.975 14.599,9.451 26.303,9.451 30.871,14.02 30.871,14.696 v1(31.275,15.099)
SD_D1: IC6.F14 J3.8 R12.1 | length 26.7
  L1 w0.089: IC6.F14@31.675,15.499 v1(32.075,15.099)
  L3 w0.089: 11.509,11.409 14.144,8.775 29,8.775 31.671,11.446 31.671,14.696 v1(32.075,15.099)
SD_D2: IC6.B14 J3.1 R11.1 | length 34.4
  L1 w0.089: IC6.B14@34.875,15.499 v1(35.275,15.099) ; v1(38.863,6.563) v1(40.375,8.075)
  L3 w0.089: 18.75,8.05 21.1,5.7 38,5.7 v1(38.863,6.563) ; v1(35.275,15.099) 35.675,14.699 37.501,14.699 40.375,11.825 v1(40.375,8.075)
SD_D3: IC6.B13 J3.2 R10.1 | length 38.1
  L1 w0.089: IC6.B13@34.875,16.299 v1(35.275,15.899) ; v1(39.575,5.85) v1(41.175,7.45)
  L3 w0.089: 18.037,7.337 20.683,4.692 38.417,4.692 v1(39.575,5.85) ; v1(35.275,15.899) 35.675,15.499 37.832,15.499 41.175,12.156 v1(41.175,7.45)
SD_DETECT: IC6.N13 J3.G5 R14.1 | length 10.8
  L1 w0.089: v1(25.675,15.899) IC6.N13@26.075,16.299
  L4 w0.089: 20.325,9.45 20.35,9.475 20.35,13.25 22.599,15.499 25.275,15.499 v1(25.675,15.899)
SWCLK: IC6.A14 pad.6@38.33,12.248 | length 0.6
  L1 w0.089: IC6.A14@35.675,15.499 v1(36.075,15.099)
  other v1: 38.33,12.248
SWDIO: IC6.A15 pad.5@37.63,12.248 | length 0.6
  L1 w0.089: IC6.A15@35.675,14.699 v1(36.075,14.299)
  other v1: 37.63,12.248
SWO: IC6.A10 pad.1@36.93,11.048 | length 0.6
  L1 w0.089: IC6.A10@35.675,18.7 v1(36.075,18.3)
  other v1: 36.93,11.048
USB_HS_DM: D1.1 IC6.R14 R25.1 | length 0.6
  L1 w0.146: v1(24.075,15.099) IC6.R14@24.475,15.499
USB_HS_DM_P: D1.2 IC6.R15 R26.1 R27.2 | length 0.6
  L1 w0.146: v1(24.075,14.299) IC6.R15@24.475,14.699
USERBTN: C26.2 IC6.N3 R19.2 | length 4.3
  L1 w0.089: v1(25.675,24.7) IC6.N3@26.075,24.3 ; R19.2@37.05,45.45 C26.2@38.625,45.45
  L4 w0.089: 23.64,25.1 25.275,25.1 v1(25.675,24.7)
VBatt: C62.2 IC9.3 IC10.3 J10.1 R28.2 | length 18.5
  L1 w0.2: IC10.3@8.075,21.325 8.7,21.325 9.6,22.225 15.225,22.225 16.15,21.3 R28.2@16.2,21.3
  L1 w0.6: J10.1@2.375,19.025 4.025,17.375 IC9.3@6.415,17.375 6.675,17.635 C62.2@6.675,19.925 6.675,20.375 7.625,21.325 IC10.3@8.075,21.325
VBATT_SENS: C56.2 IC6.R2 R28.1 R29.2 | length 12
  L1 w0.089: R28.1@16.2,22.6 v1(16.987,22.6) R29.2@17.775,22.6 ; C56.2@22.605,24.923 C56.2@22.625,24.943 ; v1(22.625,26.3) C56.2@22.625,24.943 ; IC6.R2@24.475,25.101 22.783,25.101 C56.2@22.625,24.943
  L2 w0.089: v1(16.987,22.6) 18.925,22.6 v1(22.625,26.3)
VDD: C34.2 C35.2 C36.2 C37.2 C38.2 C39.2 C40.2 C41.2 C42.2 C43.2 C44.2 C47.2 C48.2 C49.2 C50.2 C51.2 C52.2 C53.2 C54.2 C55.2 FB1.2 IC6.E7 IC6.E8 IC6.E9 IC6.E10 IC6.F4 IC6.F5 IC6.F11 IC6.G5 IC6.G11 IC6.H5 IC6.H11 IC6.J5 IC6.J11 IC6.K5 IC6.K11 IC6.L7 IC6.L8 IC6.L9 IC6.L10 pad.4@36.93,12.248 R17.1 R23.1 | length 10.7
  L1 w0.089: v1(27.275,18.3) IC6.L10@27.675,18.7 ; v1(27.275,19.1) IC6.L9@27.675,19.5 ; v1(27.275,20.7) IC6.L8@27.675,20.3 ; v1(27.275,21.5) IC6.L7@27.675,21.1 ; v1(28.075,17.5) IC6.K11@28.475,17.9 ; v1(28.075,23.1) IC6.K5@28.475,22.7 ; v1(28.875,17.5) IC6.J11@29.275,17.9 ; v1(28.875,23.1) IC6.J5@29.275,22.7 ; IC6.H11@30.075,17.9 v1(30.475,17.5) ; IC6.H5@30.075,22.7 v1(30.475,23.1) ; IC6.G11@30.875,17.9 v1(31.275,17.5) ; IC6.G5@30.875,22.7 v1(31.275,23.1) ; IC6.F11@31.675,17.9 v1(32.075,17.5) ; IC6.F5@31.675,22.7 v1(32.075,23.1) ; IC6.F4@31.675,23.5 v1(32.075,23.9) ; IC6.E10@32.475,18.7 v1(32.875,18.3) ; IC6.E9@32.475,19.5 v1(32.875,19.1) ; IC6.E8@32.475,20.3 v1(32.875,20.7) ; IC6.E7@32.475,21.1 v1(32.875,21.5)
  other v1: 36.93,12.248
VDDA: C45.2 C46.2 FB1.1 IC6.C1 IC6.R1 R24.2 | length 11.6
  L1 w0.089: R24.2@22.175,29.15 v1(22.175,29.875) ; v1(24.075,26.301) IC6.R1@24.475,25.901 ; IC6.C1@34.075,25.901 v1(34.475,26.301) ; C46.2@36.375,27.825 C45.2@37.95,27.825 FB1.1@39.525,27.825
  L2 w0.089: v1(22.175,29.875) 24.075,27.975 v1(24.075,26.301) ; v1(34.475,26.301) 34.513,26.301 36.037,27.825 v1(36.075,27.825)
VREF+: C30.2 C31.2 IC6.P1 R24.1 | length 5
  L1 w0.089: R24.1@22.175,27.85 C30.2@23.75,27.85 25.25,27.85 25.275,27.825 IC6.P1@25.275,25.901
Vselected: C1.2 C58.2 IC2.2 IC2.3 IC2.4 IC7.2 IC9.2
WiFi_CTS: IC6.C15 J8.8 pad.4@63.77,37.85 | length 17.1
  L1 w0.089: IC6.C15@34.075,14.699 v1(34.475,14.299) ; J8.8@52.625,46.64 52.625,46.375 60.309,38.691 60.309,37.468 60.952,36.825 62.745,36.825 pad.4@63.77,37.85
WiFi_IRQ: IC6.D9 J8.1 pad.1@63.77,45.47 | length 15.2
  L1 w0.089: IC6.D9@33.275,19.5 v1(33.675,19.1) ; J8.1@53.675,48.76 53.675,48.525 55.809,46.391 62.849,46.391 pad.1@63.77,45.47
  L4 w0.089: v1(33.675,19.1) 34.075,19.5 36.51,19.5
WiFi_MISO: IC6.C14 J8.3 pad.13 | length 11.4
  L1 w0.089: IC6.C14@34.075,15.499 v1(34.475,15.099) ; J8.3@53.325,48.76 53.325,48.538 56.393,45.47 pad.13@61.23,45.47
  L3 w0.089: v1(34.475,15.099) 34.875,14.699 34.875,13.864
WiFi_MOSI: IC6.C13 J8.5 pad.2@63.77,42.93 | length 16.1
  L1 w0.089: IC6.C13@34.075,16.299 v1(34.475,15.899) ; J8.5@52.975,48.76 52.975,48.538 57.338,44.175 62.525,44.175 pad.2@63.77,42.93
  L4 w0.089: v1(34.475,15.899) 34.875,15.499 36.51,15.499
WiFi_PWE: IC6.A13 J8.9 pad.3@63.77,40.39 | length 15.7
  L1 w0.089: IC6.A13@35.675,16.299 v1(36.075,15.899) ; J8.9@52.275,48.76 52.275,48.538 52.464,48.349 52.539,48.349 53.836,47.051 59.212,41.675 62.485,41.675 pad.3@63.77,40.39
WiFi_RTS: IC6.B15 J8.10 pad.5@63.77,35.31 | length 17.6
  L1 w0.089: IC6.B15@34.875,14.699 v1(35.275,14.299) ; J8.10@52.275,46.64 52.275,46.375 60.131,38.519 60.131,37.395 61.175,36.35 62.73,36.35 pad.5@63.77,35.31
WiFi_RX: IC6.D15 J8.6 pad.16 | length 12.8
  L1 w0.089: IC6.D15@33.275,14.699 v1(33.675,14.299) ; J8.6@52.975,46.64 52.975,46.375 61.23,38.12 pad.16@61.23,37.85
WiFi_SCL: IC6.C11 J8.7 pad.14 | length 13.9
  L1 w0.089: IC6.C11@34.075,17.9 v1(34.475,17.5) ; J8.7@52.625,48.76 52.625,48.538 58.258,42.905 pad.14@61.23,42.905
  L4 w0.089: v1(34.475,17.5) 34.875,17.1 36.51,17.1
WiFi_TX: IC6.E15 J8.4 pad.15 | length 11.2
  L1 w0.089: IC6.E15@32.475,14.699 v1(32.875,14.299) ; J8.4@53.325,46.64 53.325,46.375 59.31,40.39 pad.15@61.23,40.39
pads on no net: BT1.3 BT1.4 BT2.3 BT2.4 IC1.A1 IC1.A8 IC1.B1 IC1.B8 IC1.C1 IC1.C8 IC1.D1 IC1.E1 IC1.F8 IC1.G1 IC1.G8 IC1.H1 IC1.H8 IC2.8 IC4.E2 J5.7 J5.9 J5.10 J7.2 J8.2 J11.6 J11.7 J11.8 J11.9 J11.10 µUSB1.4

## Polygon pours and split planes (outlines as drawn)
Vselected on L1 "L1-Vselected" (solid, pour order 33): 6.975,18.775 6.975,14.05 8.75,14.05 8.75,14.925 7.725,14.925 7.725,17.875 9.075,17.875 9.075,17.675 12.075,17.675 12.075,14.898 13.725,14.9 13.725,18.625 13.675,18.675 9.075,18.675 9.075,18.775
VDD on L1 "L1-VDD" (solid, remove dead copper, shelved, pour order 29): 27.45,30.025 27.45,31.825 27.9,31.825 27.9,30.025 29.025,30.025 29.025,31.825 29.475,31.825 29.475,30.025 30.6,30.025 30.6,31.825 31.05,31.825 31.05,29.475 30.6,29.025 26.35,29.025 25.875,29.5 25.875,31.825 26.35,31.825 26.35,30.025
VDD on L1 "L1-VDD" (solid, shelved, pour order 8): 36.4,15.675 36.4,24.825 38.35,24.825 38.35,13.425 36.4,13.448 36.4,13.775 23.225,13.775 21.657,15.343 21.657,24.2 23.175,24.2 23.175,16.401 23.901,15.675
3v3 on L1 "L1-3v3" (solid, shelved, pour order 7): -3.38,35.465 -3.38,34.29 -4.93,34.29 -4.93,33.414 -6.63,33.417 -6.63,35.665 -4.73,35.665 -4.73,39.54 -2.53,39.54 -2.53,35.465
Vselected on L1 "L1-Vselected" (solid, shelved, pour order 9): -7.905,35.84 -8.78,34.965 -8.78,33.665 -10.255,33.665 -10.255,35.39 -9.63,36.015 -9.63,39.649 -7.905,39.649
GND on L1 "L1-GND" (solid, remove dead copper, shelved, pour order 23): 0,0 65,0 65,50 0,50
5V on L1 "L1-5V" (solid, shelved, pour order 6): 3.4,3.5 2.8,3.5 2.8,5.227 0,5.223 0,8.125 2,8.125 2,6.85 3.4,6.85
VDD on L2 "L2-VDD" (solid, remove dead copper, shelved, pour order 15): 21.525,12.125 40.33,12.125 40.33,34.225 21.525,34.225
5V on L2 "L2-5V" (solid, shelved, pour order 17): 50.11,21.75 50.11,15.96 50.69,15.96 50.69,21.75 59.43,21.75 59.43,12.075 62.63,12.075 62.63,3.09 60.35,3.09 42.13,3.09 42.13,5.78 41.67,5.78 41.67,3.09 24.35,3.09 24.35,7.075 10.125,7.075 10.125,14.825 11.375,14.825 11.375,15.4 9.55,15.4 9.55,7.075 2.35,7.075 2.35,11.29 3.487,11.29 4.272,12.075 4.272,13.247 2.35,13.247 2.35,20.9 9.875,20.9 9.875,21.875 0.82,21.875 0.82,42.17 8.45,42.17 8.45,42.53 7.99,42.99 0,42.99 0,26.875 0,5 3.4,5 3.45,5.05 23.525,5.05 23.525,2.05 23.875,2.05 42.13,2.05 42.15,2.03 62.02,2.03 64.02,2.03 64.02,13.37 60.91,13.37 60.91,16.72 62.06,16.72 62.06,23.61 50.65,23.61 50.65,42.82 52.13,42.82 52.13,43.58 50.65,43.58 50.65,47.01 49.26,47.01 49.26,21.75
3v3 on L2 "L2-3v3" (solid, remove dead copper, shelved, pour order 21): 0,0 65,0 65,50 0,50
Vselected on L2 "L2-Vselected" (solid, remove dead copper, shelved, pour order 19): -7.4,13.85 -7.225,13.675 -6.675,13.675 -6.1,14.25 -6.1,16.65 -2.6,20.15 -2.6,30.95 -4.075,30.95 -4.075,20.475 -7.175,17.375 -7.175,14.7 -7.4,14.475
GND on L5 "L5-GND" (solid, remove dead copper, shelved, pour order 27): 0,0 65,0 65,50 0,50

## Other copper
L1:
  pour cut-out: 36.405,15.723 38.33,15.723 38.33,14.072 36.405,14.073

## Silkscreen, mask and mechanical layers (free items; w line width, h text height)
Top Overlay:
  lines w0.1: 0.2,49.6 0.2,39.7 0.525,39.375 5.025,39.375 5.025,39.55
  lines w0.254: 40.975,50 40.975,13 64.975,13
  text "4" at 36.705,12.873 h1
  text "5" at 37.455,12.873 h1
  text "6" at 38.13,12.873 h1
  text "1" at 36.725,9.875 h1
  text "2" at 37.425,9.875 h1
  text "3" at 38.15,9.875 h1
  text "1 - SWO / 2 - NRST / 3 - GND / 4 - VDD / 5 - SWDIO / 6 - SWCLK" at 39.1,8.5 h1
  text "STF7-SoM" at 47.1,7.725 h3
  text "TFT LCD" at 50.525,6.625 h1
  text "p" at 36.9,5.925 h2.5
  text "Camera" at 27.875,5.45 h1
  text "E" at 13.65,0.6 h5
  text "W" at 18.225,0.4 h4
  text "R" at 11.45,-0.8 h4
Bottom Overlay:
  text "STF7-SoM" at 37.79,28.95 h3
  text "p" at 16.13,4.15 h5
  text "E" at 48.84,3.4 h10
  text "W" at 60.49,2.73 h10
  text "R" at 8.5,1.1 h10
Mechanical 1:
  the board outline again, w0.254